# KiCad board nvme Carrier for LattePanda Mu.kicad_pcb (continued)
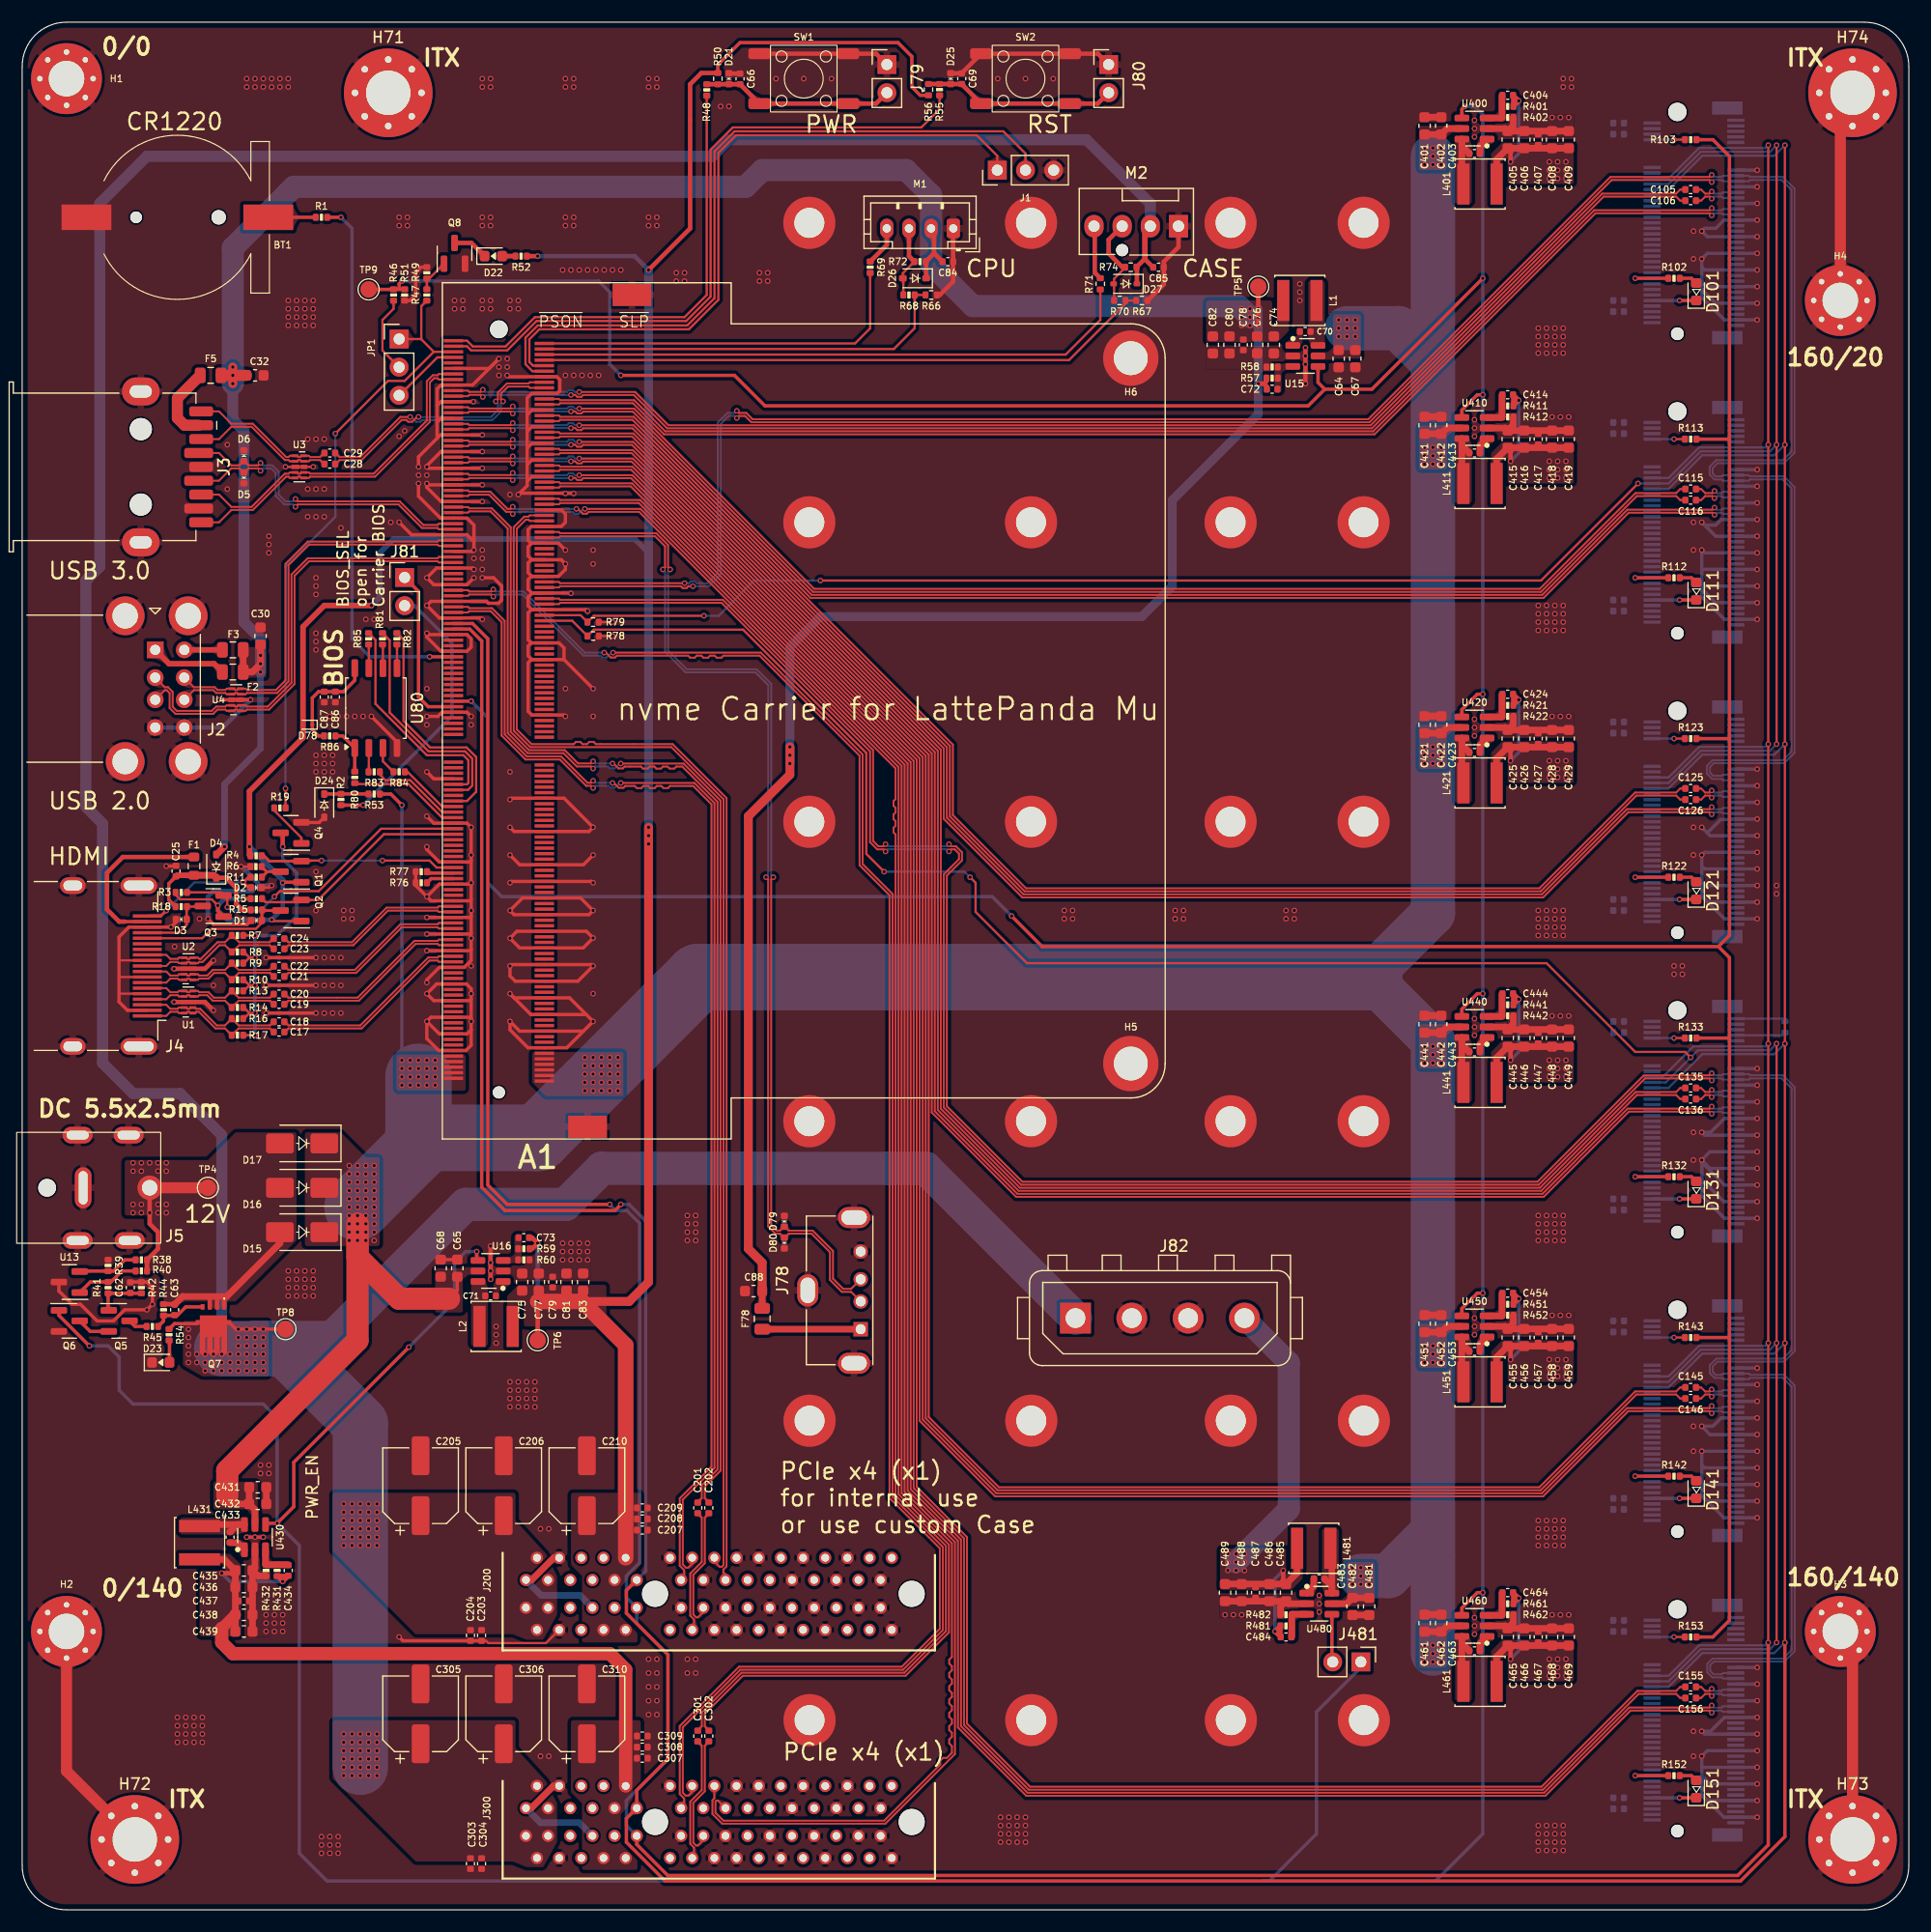
[diagram p0: board, top side]
## Routing (per net, layer and track width the routed paths; a pad name or vN(x,y) marks a point on that pad's centre or on a via; arc(x,y) is an arc through that point) (continued)
/LattePanda Module/HSIO_6_TX+: length 110.3
  Top w0.171: v1(53.25,103.35) 53.35,103.35 53.79,102.91 54.18,102.91 54.35,103.08 55.82,103.08 56,102.9 56.42,102.9 56.6,103.08 57.02,103.08 57.2,102.9 57.62,102.9 57.8,103.08 58.22,103.08 58.4,102.9 58.82,102.9 59,103.08 59.54,103.08 62.72,99.9 62.72,39.7 61.3,38.29 61.3,37.11 60.94,36.75 C201.1 ; A1.61 40.21,126.48 40.33,126.36 42.36,126.36 44.07,124.65 44.07,106.21 45.72,104.56 48.94,104.56 50.14,103.36 51.31,103.36 v1(51.5,103.55)
  Bottom w0.171: v1(53.25,103.35) 53.24,103.36 51.69,103.36 v1(51.5,103.55)
/LattePanda Module/HSIO_6_TX-: length 110.3
  Top w0.171: v1(51.5,102.9) 51.31,103.09 50.03,103.09 48.83,104.28 45.6,104.28 43.79,106.09 43.79,124.54 42.25,126.09 40.33,126.09 40.21,125.98 A1.63 ; v1(54,103.35) 59.65,103.35 62.99,100.01 62.99,39.59 61.57,38.17 61.57,37.11 61.94,36.75 C202.1
  Bottom w0.171: v1(51.5,102.9) 51.69,103.09 52.84,103.09 53.02,102.91 53.43,102.91 53.87,103.35 v1(54,103.35)
/LattePanda Module/HSIO_8_RX+: length 157.6
  Top w0.171: v1(152.4,72.43) 152.21,72.24 144.81,72.24 137.13,64.56 89.77,64.56 82.32,72.01 82.32,104.38 55.08,131.61 48.53,131.61 48.41,131.73 A1.40
  Bottom w0.171: v1(152.4,72.43) 152.59,72.24 153.3,72.24 153.41,72.35 J130.43
/LattePanda Module/HSIO_8_RX-: length 157.6
  Top w0.171: A1.42 48.41,131.23 48.53,131.34 54.97,131.34 82.05,104.27 82.05,71.89 89.65,64.28 137.25,64.28 144.93,71.96 152.21,71.96 v1(152.4,71.78)
  Bottom w0.171: J130.41 153.41,71.85 153.3,71.96 152.59,71.96 v1(152.4,71.78)
/LattePanda Module/HSIO_8_TX+: length 162
  Top w0.171: v1(44.25,132.55) 44.06,132.36 40.33,132.36 40.21,132.48 A1.37 ; C135.1 149.55,74.1 149.19,73.74 145.54,73.74 136.91,65.1 89.99,65.1 82.86,72.23 82.86,104.6 55.12,132.35 v1(50.25,132.35)
  Bottom w0.171: v1(44.25,132.55) 44.44,132.36 49.14,132.36 49.32,132.54 49.68,132.54 49.87,132.35 v1(50.25,132.35)
/LattePanda Module/HSIO_8_TX-: length 162
  Top w0.171: v1(44.25,131.9) 44.06,132.09 40.33,132.09 40.21,131.98 A1.39 ; v1(49.5,132.1) 49.88,132.1 50.07,131.91 50.43,131.91 50.6,132.08 55,132.08 82.59,104.49 82.59,72.12 89.88,64.83 137.02,64.83 145.66,73.46 149.19,73.46 149.55,73.1 C136.1
  Bottom w0.171: v1(49.5,132.1) 49.49,132.09 44.44,132.09 v1(44.25,131.9)
/LattePanda Module/HSIO_9_RX+: length 184.2
  Top w0.171: v1(152.4,45.43) 152.21,45.24 144.76,45.24 137.08,37.56 87.87,37.56 81.23,44.2 81.23,103.93 55.05,130.11 48.53,130.11 48.41,130.23 A1.46
  Bottom w0.171: v1(152.4,45.43) 152.59,45.24 153.3,45.24 153.41,45.35 J140.43
/LattePanda Module/HSIO_9_RX-: length 184.2
  Top w0.171: v1(152.4,44.78) 152.21,44.96 144.88,44.96 137.2,37.28 87.76,37.28 80.96,44.09 80.96,103.81 54.93,129.84 48.53,129.84 48.41,129.73 A1.48
  Bottom w0.171: J140.41 153.41,44.85 153.3,44.96 152.59,44.96 v1(152.4,44.78)
/LattePanda Module/HSIO_9_TX+: length 188.6
  Top w0.171: v1(50.25,130.85) 55.08,130.85 81.77,104.15 81.77,44.43 88.1,38.1 136.86,38.1 145.49,46.74 149.19,46.74 149.55,47.1 C145.1 ; A1.43 40.21,130.98 40.33,130.86 44.06,130.86 v1(44.25,131.05)
  Bottom w0.171: v1(44.25,131.05) 44.44,130.86 49.14,130.86 49.32,131.04 49.68,131.04 49.87,130.85 v1(50.25,130.85)
/LattePanda Module/HSIO_9_TX-: length 188.6
  Top w0.171: C146.1 149.55,46.1 149.19,46.46 145.61,46.46 136.97,37.83 87.99,37.83 81.5,44.31 81.5,104.04 54.96,130.58 50.6,130.58 50.43,130.41 50.07,130.41 49.88,130.6 v1(49.5,130.6) ; A1.45 40.21,130.48 40.33,130.59 44.06,130.59 v1(44.25,130.4)
  Bottom w0.171: v1(49.5,130.6) 49.49,130.59 44.44,130.59 v1(44.25,130.4)
/LattePanda Module/HSIO_10_RX+: length 208.1
  Top w0.171: A1.52 48.41,128.73 48.53,128.61 55.01,128.61 80.14,103.48 80.14,37.92 84.68,33.38 84.68,16.55 90.68,10.56 137.28,10.56 144.96,18.24 152.21,18.24 v1(152.4,18.43)
  Bottom w0.171: v1(152.4,18.43) 152.59,18.24 153.3,18.24 153.41,18.35 J150.43
/LattePanda Module/HSIO_10_RX-: length 208.1
  Top w0.171: v1(152.4,17.78) 152.21,17.96 145.08,17.96 137.4,10.28 90.57,10.28 84.41,16.44 84.41,33.27 79.87,37.81 79.87,103.36 54.89,128.34 48.53,128.34 48.41,128.23 A1.54
  Bottom w0.171: J150.41 153.41,17.85 153.3,17.96 152.59,17.96 v1(152.4,17.78)
/LattePanda Module/HSIO_10_TX+: length 212.4
  Top w0.171: v1(50.25,129.35) 55.04,129.35 80.68,103.7 80.68,38.15 85.22,33.61 85.22,16.78 90.9,11.1 137.06,11.1 145.69,19.74 149.19,19.74 149.55,20.1 C155.1 ; A1.49 40.21,129.48 40.33,129.36 44.06,129.36 v1(44.25,129.55)
  Bottom w0.171: v1(50.25,129.35) 49.87,129.35 49.68,129.54 49.32,129.54 49.14,129.36 44.44,129.36 v1(44.25,129.55)
/LattePanda Module/HSIO_10_TX-: length 212.4
  Top w0.171: A1.51 40.21,128.98 40.33,129.09 44.06,129.09 v1(44.25,128.9) ; C156.1 149.55,19.1 149.19,19.46 145.81,19.46 137.17,10.83 90.79,10.83 84.95,16.67 84.95,33.49 80.41,38.03 80.41,103.59 54.92,129.08 50.6,129.08 50.43,128.91 50.07,128.91 49.88,129.1 v1(49.5,129.1)
  Bottom w0.171: v1(44.25,128.9) 44.44,129.09 49.49,129.09 v1(49.5,129.1)
/LattePanda Module/HSIO_11_RX+: length 161
  Top w0.171: J300.A16 62.44,10.05 62.26,9.88 62.26,8.64 63.14,7.76 77.86,7.76 84.14,14.04 84.14,33.16 79.6,37.7 79.6,103.25 55.74,127.11 48.53,127.11 48.41,127.23 A1.58
/LattePanda Module/HSIO_11_RX-: length 161
  Top w0.171: A1.60 48.41,126.73 48.53,126.84 55.62,126.84 79.32,103.14 79.32,37.58 83.86,33.04 83.86,22.8 83.62,22.56 83.62,22.2 83.86,21.96 83.86,21.6 83.62,21.36 83.62,21 83.86,20.76 83.86,20.4 83.62,20.16 83.62,19.8 83.86,19.56 83.86,19.2 83.62,18.96 83.62,18.6 83.86,18.36 83.86,18 83.62,17.76 83.62,17.4 83.86,17.16 83.86,16.8 83.62,16.56 83.62,16.2 83.86,15.96 83.86,15.6 83.62,15.36 83.62,15 83.86,14.76 83.86,14.16 83.4,13.7 83.06,13.7 82.81,13.44 82.81,13.1 77.74,8.04 63.26,8.04 62.54,8.76 62.54,9.76 62.62,9.85 62.76,9.85 J300.A17
/LattePanda Module/HSIO_11_TX+: length 157.5
  Top w0.171: C301.1 60.94,16.18 61.3,16.54 61.3,17.79 64.89,21.37 79.57,21.37 83.32,25.12 83.32,32.82 78.78,37.36 78.78,96.96 78.6,97.14 78.6,97.56 78.78,97.74 78.78,98.16 78.6,98.34 78.6,98.76 78.78,98.94 78.78,99.36 78.6,99.54 78.6,99.96 78.78,100.14 78.78,102.91 55.65,126.04 51.1,126.04 50.93,125.87 50.57,125.87 50.13,126.31 v1(50,126.31) ; A1.55 40.21,127.98 40.33,127.86 42.22,127.86 43.77,126.31 44.06,126.31 v1(44.25,126.5)
  Bottom w0.171: v1(50,126.31) 44.44,126.31 v1(44.25,126.5)
/LattePanda Module/HSIO_11_TX-: length 157.5
  Top w0.171: v1(44.25,125.85) 44.06,126.04 43.66,126.04 42.11,127.59 40.33,127.59 40.21,127.48 A1.57 ; v1(50.75,126.31) 55.77,126.31 79.05,103.03 79.05,37.47 83.59,32.93 83.59,25.01 79.68,21.1 65,21.1 61.57,17.67 61.57,16.54 61.94,16.18 C302.1
  Bottom w0.171: v1(44.25,125.85) 44.44,126.04 49.65,126.04 49.82,125.87 50.18,125.87 50.62,126.31 v1(50.75,126.31)
/LattePanda Module/REFCLK1+: length 160
  Top w0.171: J300.A13 59.7,9.43 59.7,10.05 59.31,10.44 59.31,16.57 64.66,21.92 79.35,21.92 82.78,25.35 82.78,32.59 78.24,37.13 78.24,91.48 75.54,94.18 75.54,104.06 66.51,113.08 63.25,113.08 63.07,112.89 62.65,112.89 62.47,113.08 62.05,113.08 61.87,112.89 61.45,112.89 61.27,113.08 60.85,113.08 60.67,112.89 60.25,112.89 60.07,113.08 53.65,113.08 53.48,112.91 53.09,112.91 52.65,113.35 v1(52.5,113.35) ; A1.91 40.21,118.98 40.33,118.86 42.31,118.86 v1(42.5,119.05)
  Bottom w0.171: v1(52.5,113.35) 50.75,113.35 45.24,118.86 42.69,118.86 v1(42.5,119.05)
/LattePanda Module/REFCLK1-: length 160
  Top w0.171: A1.93 40.21,118.48 40.33,118.59 42.31,118.59 v1(42.5,118.4) ; v1(53.3,113.35) 66.63,113.35 75.81,104.17 75.81,94.29 78.51,91.59 78.51,37.25 83.05,32.71 83.05,25.23 79.46,21.64 64.77,21.64 59.59,16.46 59.59,10.56 59.85,10.3 60.1,10.3 60.44,10.64 J300.A14
  Bottom w0.171: v1(42.5,118.4) 42.69,118.59 45.13,118.59 50.64,113.08 52.15,113.08 52.32,112.91 52.71,112.91 53.15,113.35 v1(53.3,113.35)
/LattePanda Module/REFCLK2+: length 108.8
  Top w0.171: J200.A13 59.7,30 59.7,30.64 59.31,31.02 59.31,37.1 62.18,39.96 62.18,99.67 60.52,101.33 58.44,101.33 58.25,101.14 57.84,101.14 57.65,101.33 57.24,101.33 57.05,101.14 56.64,101.14 56.45,101.33 56.04,101.33 55.85,101.14 55.44,101.14 55.25,101.33 54.4,101.33 54.23,101.16 53.81,101.16 53.37,101.6 v1(53.25,101.6) ; v1(51.5,101.8) 51.31,101.61 50.99,101.61 48.61,103.99 45.52,103.99 43.52,105.98 43.52,116.21 42.37,117.36 40.33,117.36 40.21,117.48 A1.97
  Bottom w0.171: v1(53.25,101.6) 53.24,101.61 51.69,101.61 v1(51.5,101.8)
/LattePanda Module/REFCLK2-: length 108.8
  Top w0.171: J200.A14 60.44,31.21 60.08,30.85 59.87,30.85 59.59,31.13 59.59,36.99 62.45,39.85 62.45,99.79 60.63,101.6 v1(54,101.6) ; v1(51.5,101.15) 51.31,101.34 50.88,101.34 48.5,103.71 45.4,103.71 43.25,105.87 43.25,116.1 42.26,117.09 40.33,117.09 40.21,116.98 A1.99
  Bottom w0.171: v1(54,101.6) 53.87,101.6 53.43,101.16 53.07,101.16 52.89,101.34 51.69,101.34 v1(51.5,101.15)
/LattePanda Module/REFCLK4+: length 235
  Top w0.171: v1(83.6,96.08) 83.79,95.89 84.23,95.89 84.77,95.35 84.77,94.61 83.41,93.25 83.41,72.46 90.22,65.64 136.68,65.64 146.27,75.24 152.21,75.24 v1(152.4,75.43) ; v1(77.88,96.08) 77.69,95.89 77.24,95.89 76.75,96.37 76.75,104.56 63.2,118.11 48.53,118.11 48.41,118.23 A1.94
  Bottom w0.171: 154.59,75.35 155.75,75.35 155.86,75.24 158.83,75.24 159.88,74.18 159.88,50.37 158.94,49.43 152.93,49.43 152.5,49 152.5,48.5 152.76,48.24 153.31,48.24 153.42,48.35 155.75,48.35 155.86,48.24 158.93,48.24 159.88,47.28 159.88,23.32 158.94,22.38 152.59,22.38 152.26,22.05 152.26,21.54 152.57,21.24 153.31,21.24 153.42,21.35 154.59,21.35 ; v1(83.6,96.08) 83.41,95.89 78.06,95.89 v1(77.88,96.08) ; v1(152.4,75.43) 152.59,75.24 153.3,75.24 153.41,75.35 J130.55
/LattePanda Module/REFCLK4-: length 235
  Top w0.171: v1(77.88,95.43) 77.69,95.61 77.13,95.61 76.48,96.26 76.48,104.45 63.08,117.84 48.53,117.84 48.41,117.73 A1.96 ; v1(152.4,74.78) 152.21,74.96 146.39,74.96 136.79,65.37 90.11,65.37 83.13,72.34 83.13,93.36 84.5,94.73 84.5,95.23 84.12,95.61 83.79,95.61 v1(83.6,95.43)
  Bottom w0.171: 154.59,74.85 155.75,74.85 155.86,74.96 158.71,74.96 159.61,74.07 159.61,50.48 158.83,49.7 152.81,49.7 152.23,49.11 152.23,48.39 152.65,47.96 153.31,47.96 153.42,47.85 155.75,47.85 155.86,47.96 158.81,47.96 159.61,47.17 159.61,23.43 158.83,22.65 152.48,22.65 151.99,22.16 151.99,21.43 152.46,20.96 153.31,20.96 153.42,20.85 154.59,20.85 ; v1(83.6,95.43) 83.41,95.61 78.06,95.61 v1(77.88,95.43) ; J130.53 153.41,74.85 153.3,74.96 152.59,74.96 v1(152.4,74.78)
/LattePanda Module/SLS_S3: length 6.3
  Top w0.2: JP1.3 34.02,136.55 37.45,139.98 A1.7
/LattePanda Module/SUSCLK_WIFI: length 284
  Top w0.3: R113.2 154,132.6 ; 154,132.6 154,105.6 ; 154,132.6 154,158.1 152.5,159.6 R103.2 ; R123.2 154,105.6 ; 154,105.6 154,87.85 153,86.85 ; R153.2 152.5,24.6 154,26.1 154,51.6 ; 154,78.6 154,85.85 153,86.85 ; 154,78.6 R133.2 ; 154,78.6 154,51.6 ; 153,86.85 92,86.85 v1(89.25,89.6) ; 154,51.6 R143.2 ; v1(40.5,108.98) A1.131
  Bottom w0.3: v1(89.25,89.6) 87.5,91.35 43.25,91.35 42,92.6 42,107.48 v1(40.5,108.98)
/LattePanda Module/USB_2_P4+: length 93.4
  Top w0.171: J78.3 74.77,55.99 74.06,55.99 73.14,56.91 73.14,59.41 71.31,61.24 69.14,61.24 68.78,61.6 D79.2 68.72,61.6 68.36,61.24 68.05,61.24 67.56,61.73 67.56,92.91 v1(67.75,93.1) ; v1(58.45,120.85) 58.26,121.04 58.26,123.05 57.2,124.11 48.53,124.11 48.41,124.23 A1.70
  Bottom w0.171: v1(58.45,120.85) 58.26,120.66 58.26,113.53 59.94,111.85 66.25,111.85 67.56,110.54 67.56,93.29 v1(67.75,93.1)
/LattePanda Module/USB_2_P4-: length 93.4
  Top w0.171: A1.72 48.41,123.73 48.53,123.84 57.08,123.84 57.99,122.93 57.99,121.04 v1(57.8,120.85) ; v1(67.1,93.1) 67.29,92.91 67.29,61.61 67.94,60.96 68.36,60.96 68.72,60.6 68.78,60.6 69.14,60.96 71.19,60.96 72.86,59.29 72.86,56.79 73.94,55.71 74.77,55.71 J78.2
  Bottom w0.171: v1(67.1,93.1) 67.29,93.29 67.29,110.43 66.14,111.58 59.83,111.58 57.99,113.42 57.99,120.66 v1(57.8,120.85)
/LattePanda Module/~{PWR_SW}: length 43
  Top w0.2: 61.75,163.58 61.75,145.6 59.75,143.6 46.25,143.6 43.6,140.95 40.65,140.95 40.12,141.48 A1.1
/LattePanda Module/~{RST_SW}: length 62
  Top w0.2: R55.2 82.75,162.35 81.1,160.7 64.11,160.7 62.1,158.69 62.1,145.45 59.89,143.25 46.4,143.25 43.75,140.6 40.5,140.6 40.12,140.98 A1.3
/M.2 M Key/CON_PCIE_TX_0+: length 3.9
  Top w0.171: C105.2 151.45,155.1 151.81,154.74 152.21,154.74 v1(152.4,154.93)
  Bottom w0.171: v1(152.4,154.93) 152.59,154.74 153.3,154.74 153.41,154.85 J100.49
/M.2 M Key/CON_PCIE_TX_0-: length 3.9
  Top w0.171: C106.2 151.45,154.1 151.81,154.46 152.21,154.46 v1(152.4,154.28)
  Bottom w0.171: J100.47 153.41,154.35 153.3,154.46 152.59,154.46 v1(152.4,154.28)
/M.2 M Key/CON_PCIE_TX_1+: length 3.9
  Top w0.171: C115.2 151.45,128.1 151.81,127.74 152.46,127.74 v1(152.65,127.93)
  Bottom w0.171: v1(152.65,127.93) 152.84,127.74 153.3,127.74 153.41,127.85 J110.49
/M.2 M Key/CON_PCIE_TX_1-: length 3.9
  Top w0.171: C116.2 151.45,127.1 151.81,127.46 152.46,127.46 v1(152.65,127.28)
  Bottom w0.171: J110.47 153.41,127.35 153.3,127.46 152.84,127.46 v1(152.65,127.28)
/M.2 M Key/CON_PCIE_TX_2+: length 3.9
  Top w0.171: v1(152.4,100.93) 152.21,100.74 151.81,100.74 151.45,101.1 C125.2
  Bottom w0.171: v1(152.4,100.93) 152.59,100.74 153.3,100.74 153.41,100.85 J120.49
/M.2 M Key/CON_PCIE_TX_2-: length 3.9
  Top w0.171: C126.2 151.45,100.1 151.81,100.46 152.21,100.46 v1(152.4,100.28)
  Bottom w0.171: J120.47 153.41,100.35 153.3,100.46 152.59,100.46 v1(152.4,100.28)
/M.2 M Key/CON_PCIE_TX_3+: length 3.9
  Top w0.171: C135.2 151.45,74.1 151.81,73.74 152.21,73.74 v1(152.4,73.93)
  Bottom w0.171: v1(152.4,73.93) 152.59,73.74 153.3,73.74 153.41,73.85 J130.49
/M.2 M Key/CON_PCIE_TX_3-: length 3.9
  Top w0.171: C136.2 151.45,73.1 151.81,73.46 152.21,73.46 v1(152.4,73.28)
  Bottom w0.171: J130.47 153.41,73.35 153.3,73.46 152.59,73.46 v1(152.4,73.28)
/M.2 M Key/CON_PCIE_TX_4+: length 3.9
  Top w0.171: C145.2 151.45,47.1 151.81,46.74 152.21,46.74 v1(152.4,46.93)
  Bottom w0.171: v1(152.4,46.93) 152.59,46.74 153.3,46.74 153.41,46.85 J140.49
/M.2 M Key/CON_PCIE_TX_4-: length 3.9
  Top w0.171: v1(152.4,46.28) 152.21,46.46 151.81,46.46 151.45,46.1 C146.2
  Bottom w0.171: J140.47 153.41,46.35 153.3,46.46 152.59,46.46 v1(152.4,46.28)
/M.2 M Key/CON_PCIE_TX_5+: length 3.9
  Top w0.171: v1(152.4,19.93) 152.21,19.74 151.81,19.74 151.45,20.1 C155.2
  Bottom w0.171: J150.49 153.41,19.85 153.3,19.74 152.59,19.74 v1(152.4,19.93)
/M.2 M Key/CON_PCIE_TX_5-: length 3.9
  Top w0.171: C156.2 151.45,19.1 151.81,19.46 152.21,19.46 v1(152.4,19.28)
  Bottom w0.171: v1(152.4,19.28) 152.59,19.46 153.3,19.46 153.41,19.35 J150.47
/PCIe/PCIE30_TX0_N: length 11.3
  Top w0.171: C202.2 61.94,35.73 61.57,35.37 61.57,31.25 60.54,30.21 60.54,26.63 60.79,26.37 60.95,26.37 61.44,26.86 J200.B15
/PCIe/PCIE30_TX0_P: length 11.3
  Top w0.171: C201.2 60.94,35.73 61.3,35.37 61.3,31.36 60.26,30.33 60.26,26.51 60.6,26.18 60.6,25.4 J200.B14
/PCIe/PCIE30_TX1_N: length 11.3
  Top w0.171: J300.B15 61.44,6.29 60.95,5.8 60.79,5.8 60.54,6.06 60.54,9.64 61.57,10.68 61.57,14.8 61.94,15.16 C302.2
/PCIe/PCIE30_TX1_P: length 11.3
  Top w0.171: J300.B14 60.6,4.83 60.6,5.61 60.26,5.94 60.26,9.76 61.3,10.79 61.3,14.8 60.94,15.16 C301.2
/PSU/PWR_EN: length 524.4
  Top w0.3: v1(131.75,82.6) 131.25,82.6 129.86,81.21 129.86,80.55 ; 129.86,26.55 129.86,27.21 131.25,28.6 v1(131.75,28.6) ; v1(131.75,147.1) 121.75,137.1 117.5,137.1 ; v1(34.87,50.72) 24.5,40.35 24.5,36.35 v1(23,34.85) 22.06,34.85 U430.4 ; v1(131.75,136.6) 131.25,136.6 129.86,135.21 U410.4 ; 117.5,137.1 116,135.6 67,135.6 64.25,138.35 v1(54,138.35) ; 117.5,137.1 116.89,137.71 U15.4 ; 41.11,58.55 41,58.66 v1(41,59.35) ; R46.2 33.49,146.1 TP9.1 ; R46.2 33.52,146.11 ; R46.2 R51.2 ; v1(130.12,162.6) 129.86,162.34 U400.4 ; 34,146.11 34,146.6 v1(34.25,146.85) ; v1(6.06,50.85) 3.31,53.6 3.31,54.05 ; U420.4 129.86,108.21 131.25,109.6 v1(131.75,109.6) ; 129.86,53.55 129.86,54.21 131.25,55.6 v1(131.75,55.6)
  Bottom w0.3: 112,2.6 112.5,2.6 116.75,6.85 116.75,17.85 120.75,21.85 J481.1 ; v1(41,59.35) 40,59.35 39,58.35 39,54.85 v1(34.87,50.72) ; v1(130.12,162.6) 131.01,162.6 131.75,161.86 v1(131.75,147.1) v1(131.75,55.6) v1(131.75,28.6) 131.75,6.85 127.5,2.6 27.5,2.6 25,5.1 25,32.85 v1(23,34.85) 23,44.35 21.75,45.6 10,45.6 8.75,46.85 8.75,49.85 7.75,50.85 v1(6.06,50.85) ; v1(54,138.35) 53,139.35 53,145.85 52,146.85 v1(34.25,146.85)
/REFCLK3+: length 212.7
  Top w0.171: v1(59.75,119.61) 48.53,119.61 48.41,119.73 A1.88 ; v1(152.4,156.43) 152.21,156.24 143.26,156.24 121.42,134.39 65.88,134.39 65.32,134.96 64.65,134.96 v1(64.46,135.15)
  Bottom w0.171: J120.55 153.41,102.35 153.3,102.24 152.56,102.24 152.25,102.54 152.25,103.05 152.58,103.38 158.93,103.38 159.87,104.32 159.87,128.28 158.91,129.24 155.85,129.24 155.74,129.35 J110.55 153.41,129.35 153.3,129.24 152.75,129.24 152.49,129.5 152.49,130 152.91,130.43 158.93,130.43 159.87,131.37 159.87,155.18 158.81,156.24 155.85,156.24 155.74,156.35 J100.55 153.41,156.35 153.3,156.24 152.59,156.24 v1(152.4,156.43) ; v1(59.75,119.61) 60.15,119.61 60.32,119.78 60.68,119.78 60.85,119.61 61.82,119.61 62.75,120.54 62.75,134.1 63.61,134.96 64.28,134.96 v1(64.46,135.15)
/REFCLK3-: length 212.7
  Top w0.171: A1.90 48.41,119.23 48.53,119.34 59.4,119.34 59.57,119.17 59.93,119.17 60.1,119.34 v1(60.5,119.34) ; v1(64.46,134.5) 64.65,134.69 65.2,134.69 65.77,134.12 121.53,134.12 143.37,155.96 152.21,155.96 v1(152.4,155.78)
  Bottom w0.171: v1(64.46,134.5) 64.28,134.69 63.72,134.69 63.02,133.99 63.02,120.43 61.93,119.34 v1(60.5,119.34) ; J120.53 153.41,101.85 153.3,101.96 152.44,101.96 151.98,102.43 151.98,103.16 152.47,103.65 158.82,103.65 159.6,104.43 159.6,128.17 158.8,128.96 155.85,128.96 155.74,128.85 J110.53 153.41,128.85 153.3,128.96 152.64,128.96 152.21,129.39 152.21,130.11 152.8,130.7 158.82,130.7 159.6,131.48 159.6,155.07 158.7,155.96 155.85,155.96 155.74,155.85 J100.53 153.41,155.85 153.3,155.96 152.59,155.96 v1(152.4,155.78)
/USB/CON_USB1_D_N: length 40.6
  Top w0.171: J2.2 12.86,110.24 13.15,110.24 13.57,109.81 13.57,108.47 13.94,108.1 17.12,108.1 17.5,108.49 18.33,108.49 18.44,108.6 U4.9 19.1,108.6 19.21,108.49 19.39,108.49 19.5,108.6 U4.2 20.16,108.6 20.27,108.49 22.16,108.49 24.29,110.62 24.29,120.39 25.76,121.86 37.47,121.86 37.59,121.98 A1.79
/USB/CON_USB1_D_P: length 40.6
  Top w0.171: A1.81 37.59,121.48 37.47,121.59 25.87,121.59 24.57,120.28 24.57,110.51 22.27,108.21 20.27,108.21 20.16,108.1 U4.1 19.5,108.1 19.39,108.21 19.21,108.21 19.1,108.1 U4.10 18.44,108.1 18.33,108.21 17.61,108.21 17.23,107.83 13.83,107.83 13.3,108.36 13.3,109.7 13.04,109.96 12.86,109.96 J2.3
/USB/CON_USB2_D_N: length 36.7
  Top w0.171: A1.73 37.59,123.48 37.47,123.36 25.76,123.36 23.75,121.35 23.75,110.85 22.89,109.99 20.27,109.99 20.16,110.1 U4.5 19.5,110.1 19.39,109.99 19.21,109.99 19.1,110.1 U4.6 18.44,110.1 18.33,109.99 17.61,109.99 17.36,110.24 15.48,110.24 J2.6
/USB/CON_USB2_D_P: length 36.7
  Top w0.171: J2.7 15.48,109.96 17.25,109.96 17.5,109.71 18.33,109.71 18.44,109.6 U4.7 19.1,109.6 19.21,109.71 19.39,109.71 19.5,109.6 U4.4 20.16,109.6 20.27,109.71 23,109.71 24.02,110.74 24.02,121.24 25.87,123.09 37.47,123.09 37.59,122.98 A1.75
/USB/CON_USB3_D_N: length 27.6
  Top w0.171: v1(21.5,130.45) 21.29,130.24 21.14,130.24 ; J3.2 17.75,131.35 18.86,130.24 19.6,130.24 19.98,130.62 D6.2 20.02,130.62 20.4,130.24 21.11,130.24 ; A1.67 37.59,124.98 37.47,124.86 36.18,124.86 34.06,126.99 24.86,126.99 v1(24.65,127.2) 24.7,127.15
  Bottom w0.171: v1(21.5,130.45) 21.71,130.24 22.56,130.24 23.14,129.66 23.14,127.6 23.75,126.99 24.44,126.99 v1(24.65,127.2)
/USB/CON_USB3_D_P: length 27.8
  Top w0.171: v1(24.65,126.5) 24.7,126.5 24.7,126.55 v1(24.65,126.5) ; v1(24.65,126.5) 24.86,126.71 33.94,126.71 36.07,124.59 37.47,124.59 37.59,124.48 A1.69 ; v1(21.5,129.75) 21.29,129.96 20.4,129.96 20.02,129.59 D5.2 19.98,129.59 19.6,129.96 18.86,129.96 17.75,128.85 J3.3
  Bottom w0.171: v1(21.5,129.75) 21.71,129.96 22.44,129.96 22.86,129.54 22.86,127.49 23.64,126.71 24.44,126.71 v1(24.65,126.5)
/USB/CON_USB3_SSRX_N: length 30.4
  Top w0.171: A1.15 37.59,137.98 37.47,138.09 37.15,138.09 36.77,137.71 36.77,134.16 31.83,129.21 25.97,129.21 25.86,129.1 U3.6 25.2,129.1 25.09,129.21 24.91,129.21 24.8,129.1 U3.5 24.14,129.1 24.03,129.21 23.81,129.21 20.81,126.21 18.87,126.21 17.76,125.1 J3.5
/USB/CON_USB3_SSRX_P: length 30.4
  Top w0.171: J3.6 17.76,127.6 18.87,126.49 20.69,126.49 23.69,129.49 24.03,129.49 24.14,129.6 U3.4 24.8,129.6 24.91,129.49 25.09,129.49 25.2,129.6 U3.7 25.86,129.6 25.97,129.49 31.71,129.49 36.5,134.27 36.5,137.82 37.04,138.36 37.47,138.36 37.59,138.48 A1.13
/USB/CON_USB3_SSTX_N: length 13.2
  Top w0.171: C28.2 27.24,130.35 26.88,130.71 25.97,130.71 25.86,130.6 U3.9 25.2,130.6 25.09,130.71 24.91,130.71 24.8,130.6 U3.2 24.14,130.6 24.03,130.71 23.69,130.71 20.69,133.71 18.87,133.71 17.76,132.6 J3.8
/USB/CON_USB3_SSTX_P: length 13.2
  Top w0.171: J3.9 17.76,135.1 18.87,133.99 20.81,133.99 23.81,130.99 24.03,130.99 24.14,131.1 U3.1 24.8,131.1 24.91,130.99 25.09,130.99 25.2,131.1 U3.10 25.86,131.1 25.97,130.99 26.88,130.99 27.24,131.35 C29.2
/~{PLT_RST}: length 470.5
  Top w0.2: v1(159,159.1) v1(159,132.1) v1(159,105.1) v1(159,78.1) v1(159,51.1) v1(159,24.1)
  Top w0.3: J200.A11 54.5,28.8 54.5,26.75 58.25,23 58.25,13.6 55.44,10.79 J300.A11 54.5,8.23 54.5,6.1 58,2.6 155,2.6 159,6.6 v1(159,24.1) ; A1.105 40.37,115.48 41.45,114.4 41.45,65.15 43.55,63.05 53.46,63.05 54,63.59 v1(54,63.6)
  Bottom w0.2: v1(159,159.1) 158.05,158.15 151.55,158.15 148.5,155.1 J100.50 ; v1(159,51.1) 158.05,50.15 151.55,50.15 148.5,47.1 J140.50 ; J120.50 148.5,101.1 151.55,104.15 158.05,104.15 v1(159,105.1) ; J130.50 148.5,74.1 151.55,77.15 158.05,77.15 v1(159,78.1) ; J110.50 148.5,128.1 151.55,131.15 158.05,131.15 v1(159,132.1) ; v1(159,24.1) 158.05,23.15 151.55,23.15 148.5,20.1 J150.50
  Bottom w0.3: v1(54,63.6) 54.75,63.6 56.25,62.1 56.25,30.55 J200.A11
/~{PWR_LED}/~{PSON}: length 56.6
  Top w0.2: 36,141.62 36,141.6 37.12,140.48 ; 36,141.62 JP1.1 ; 36,141.62 36,144.6 36.01,144.6 R47.1 ; 37.12,140.48 A1.5 ; 37.12,140.48 34.5,137.85 33,137.85 v1(28.25,133.1) ; v1(23.75,101.1) 23.75,99.36 R19.1
  Bottom w0.2: v1(23.75,101.1) 23.75,121.1 28.25,125.6 v1(28.25,133.1)
/~{WAKE}: length 456
  Top w0.2: v1(157.5,24.1) v1(157.5,51.1) v1(157.5,78.1) v1(157.5,105.1) v1(157.5,132.1) v1(157.5,159.1)
  Top w0.3: A1.103 40.62,115.98 42,114.6 42,65.35 43.75,63.6 v1(53,63.6) ; J300.B11 55.44,5.89 58.23,3.1 154.75,3.1 157.5,5.85 v1(157.5,24.1)